# Altium PCB PCB2.PcbDoc (part 1 of 2) (continued)
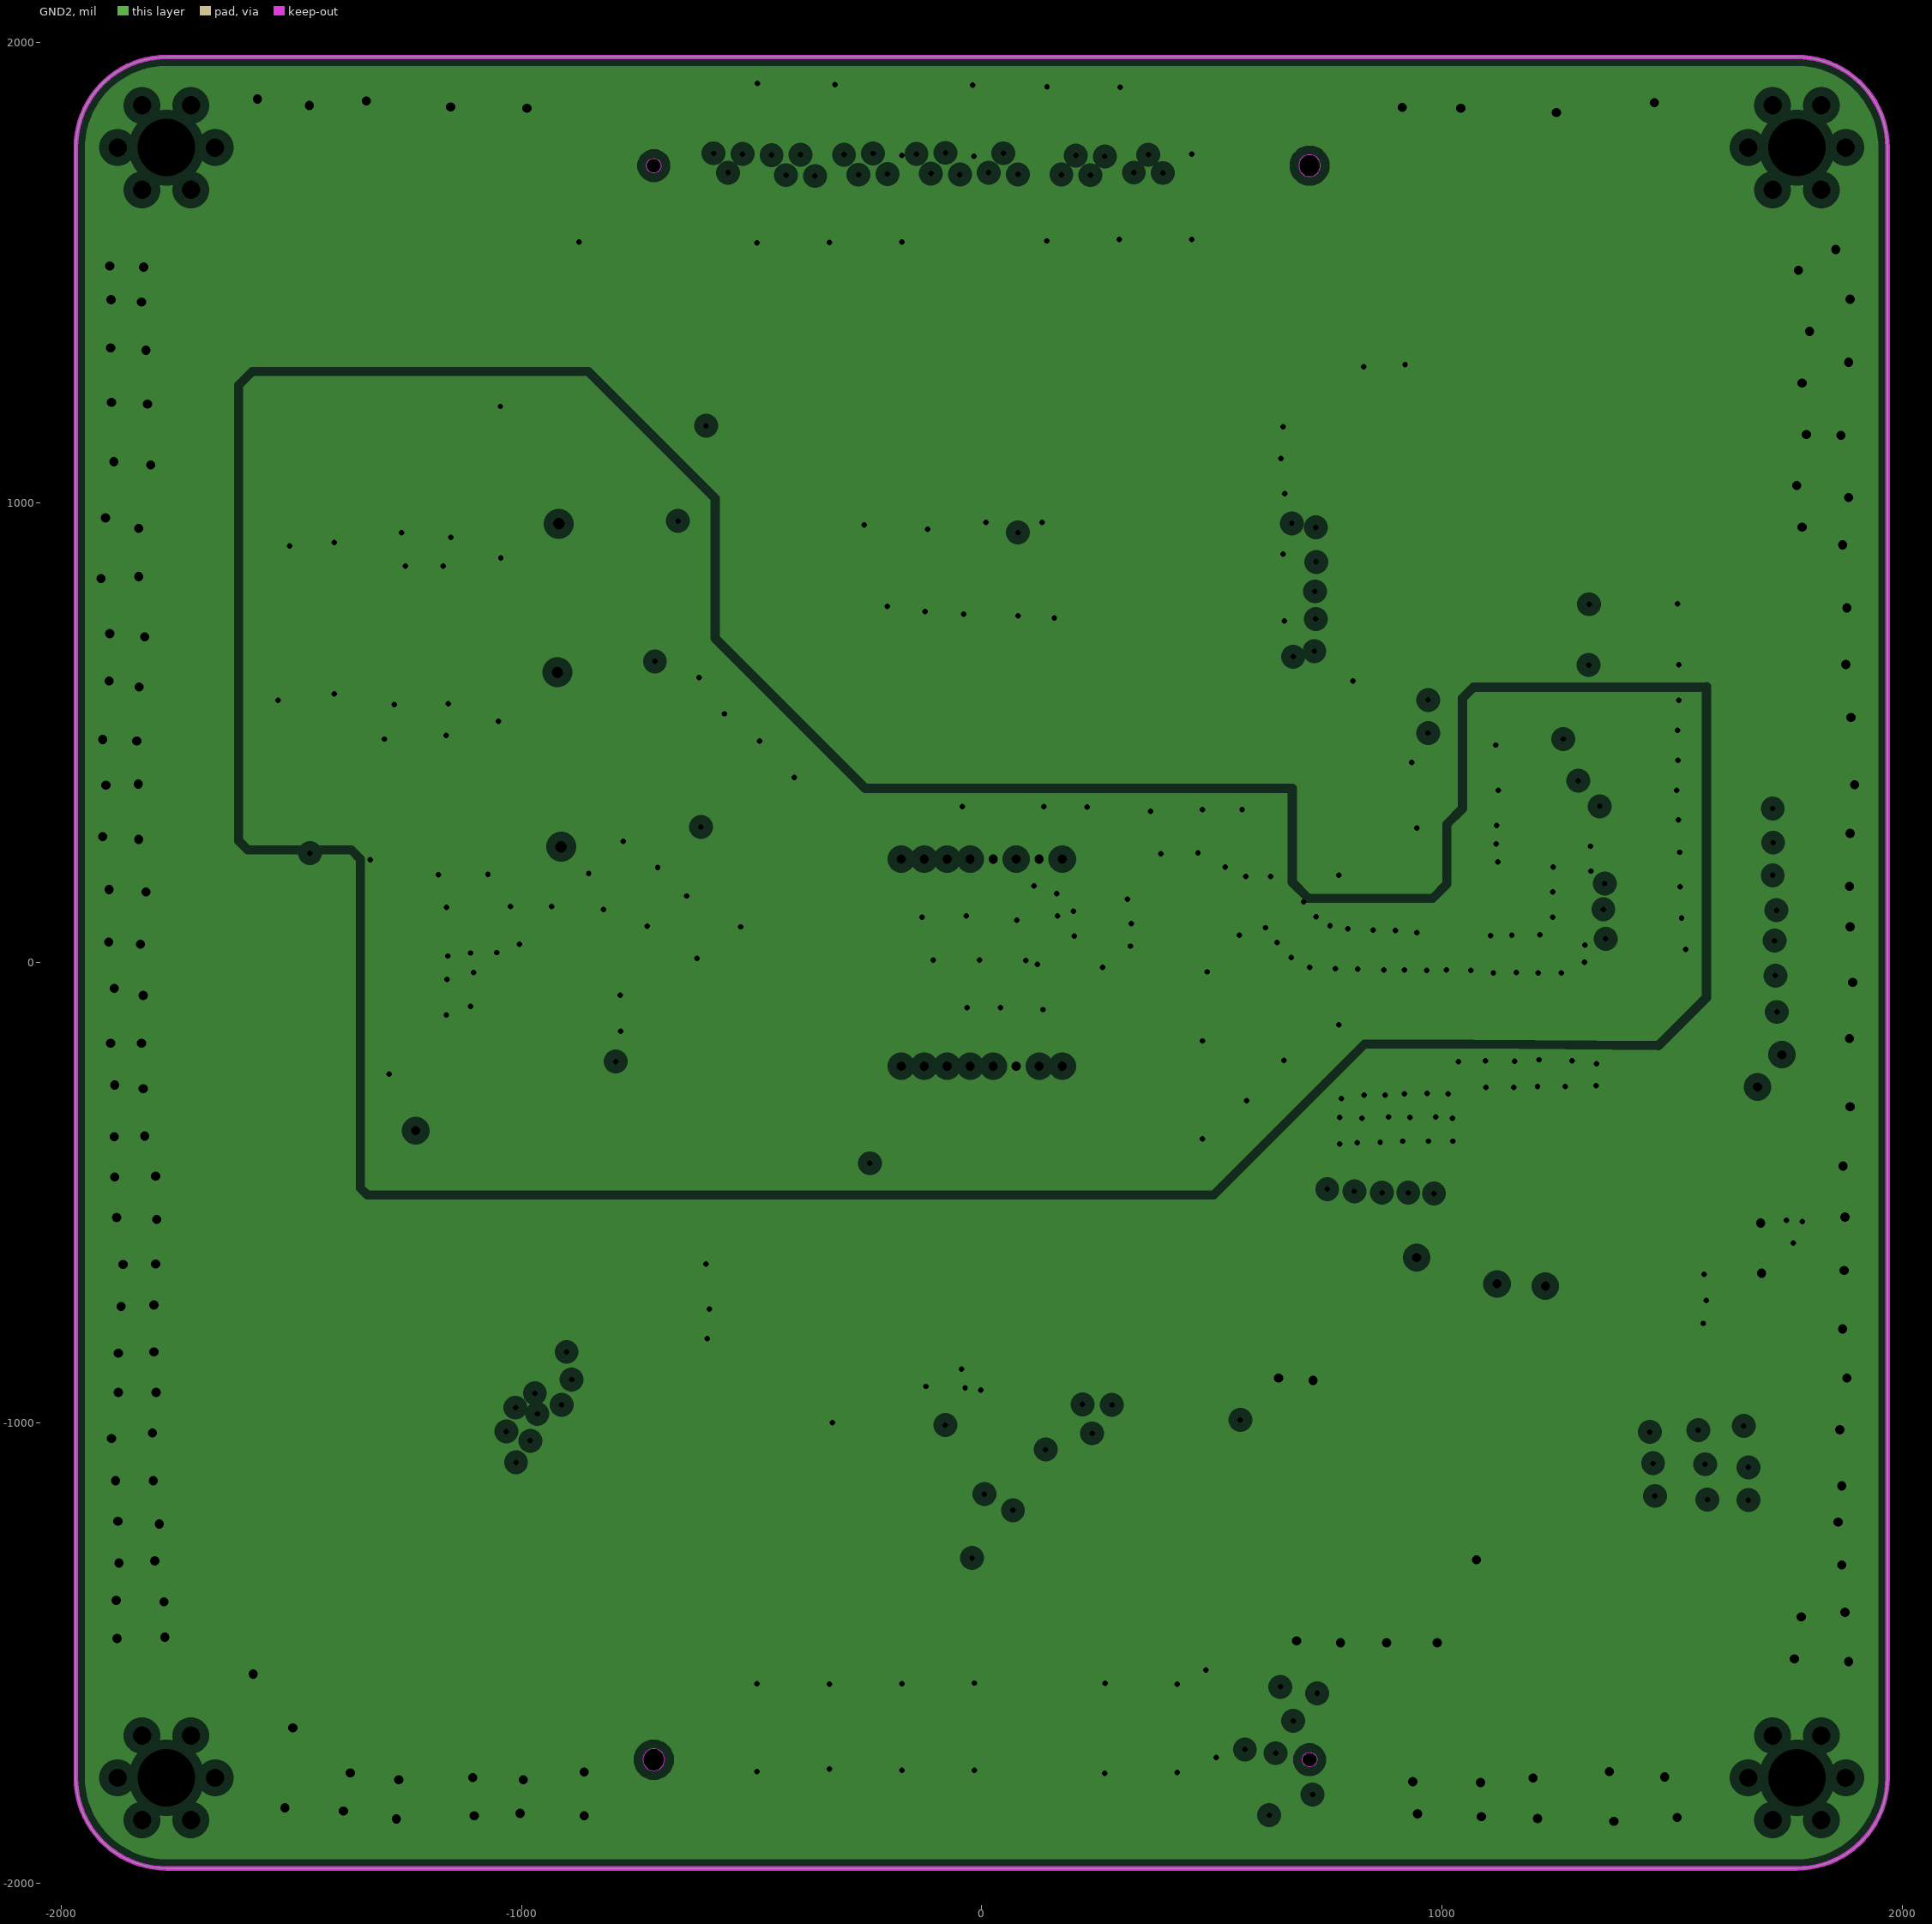
[diagram p3: GND2, clearances drawn from the general rule]
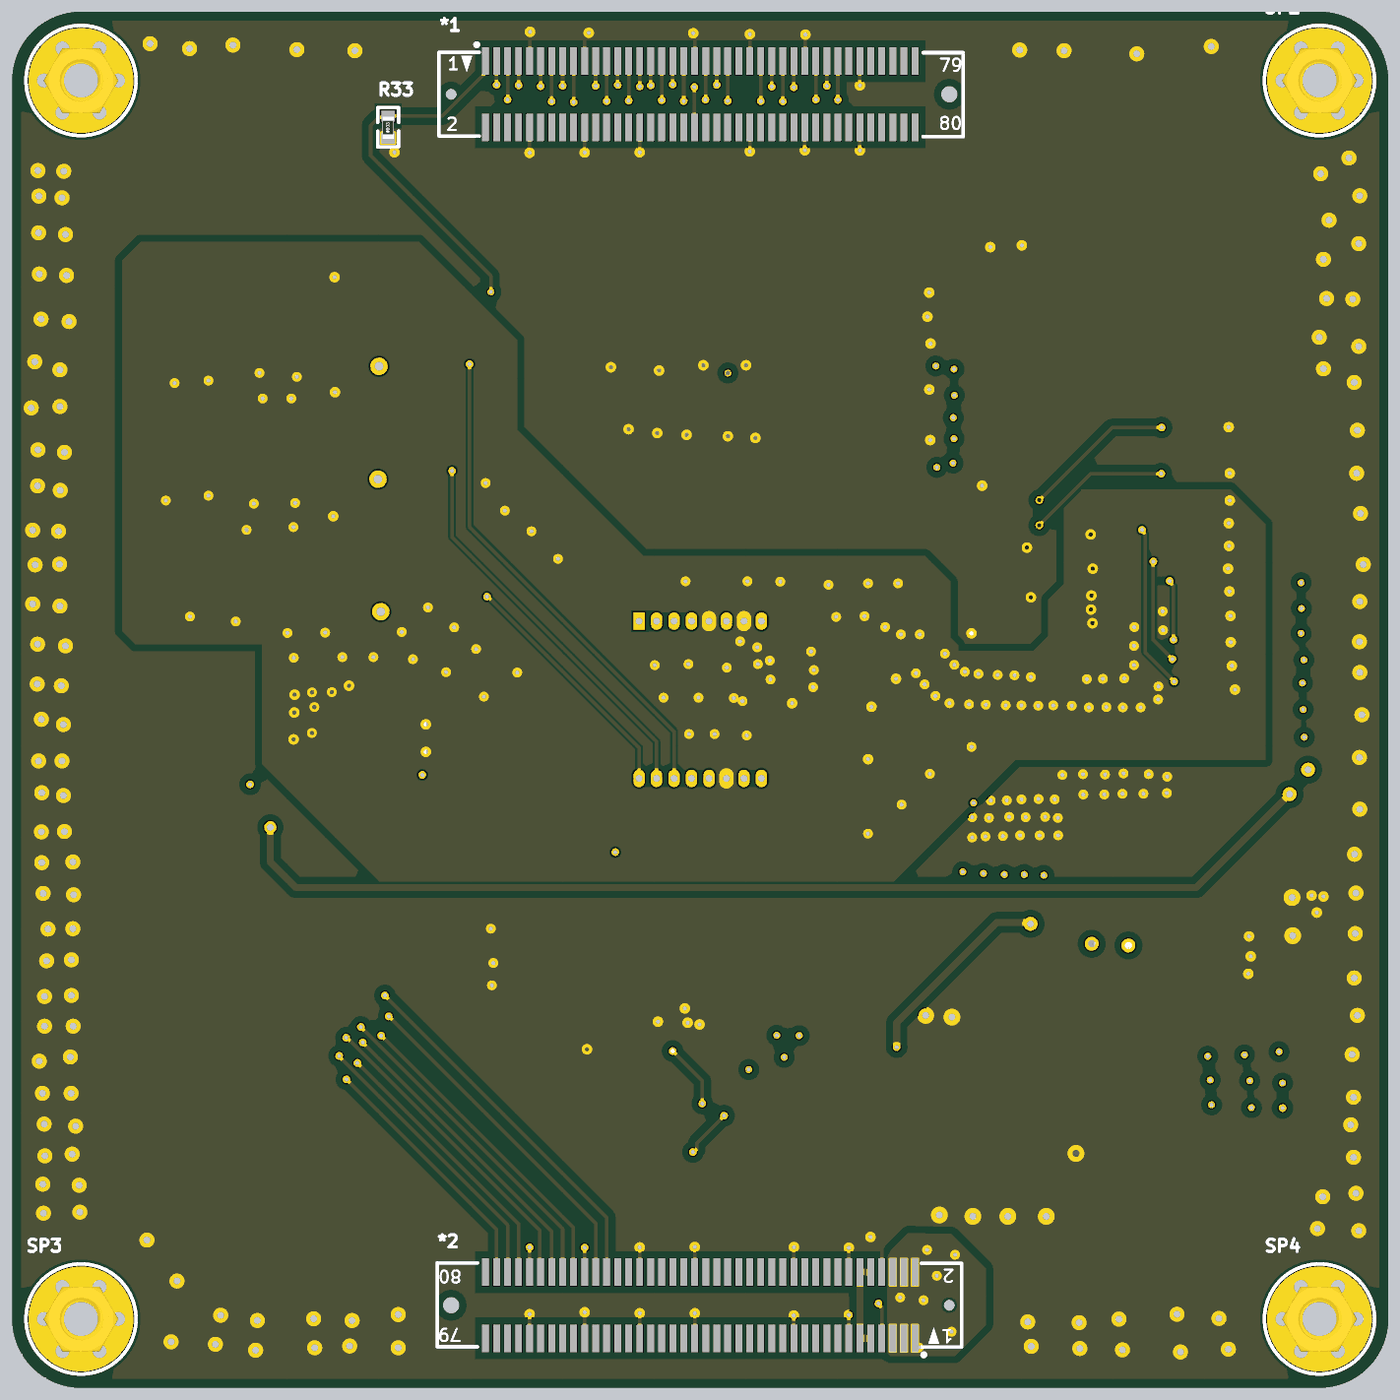
[diagram p5: 3D render of the assembled board from above, using the file's embedded part models]
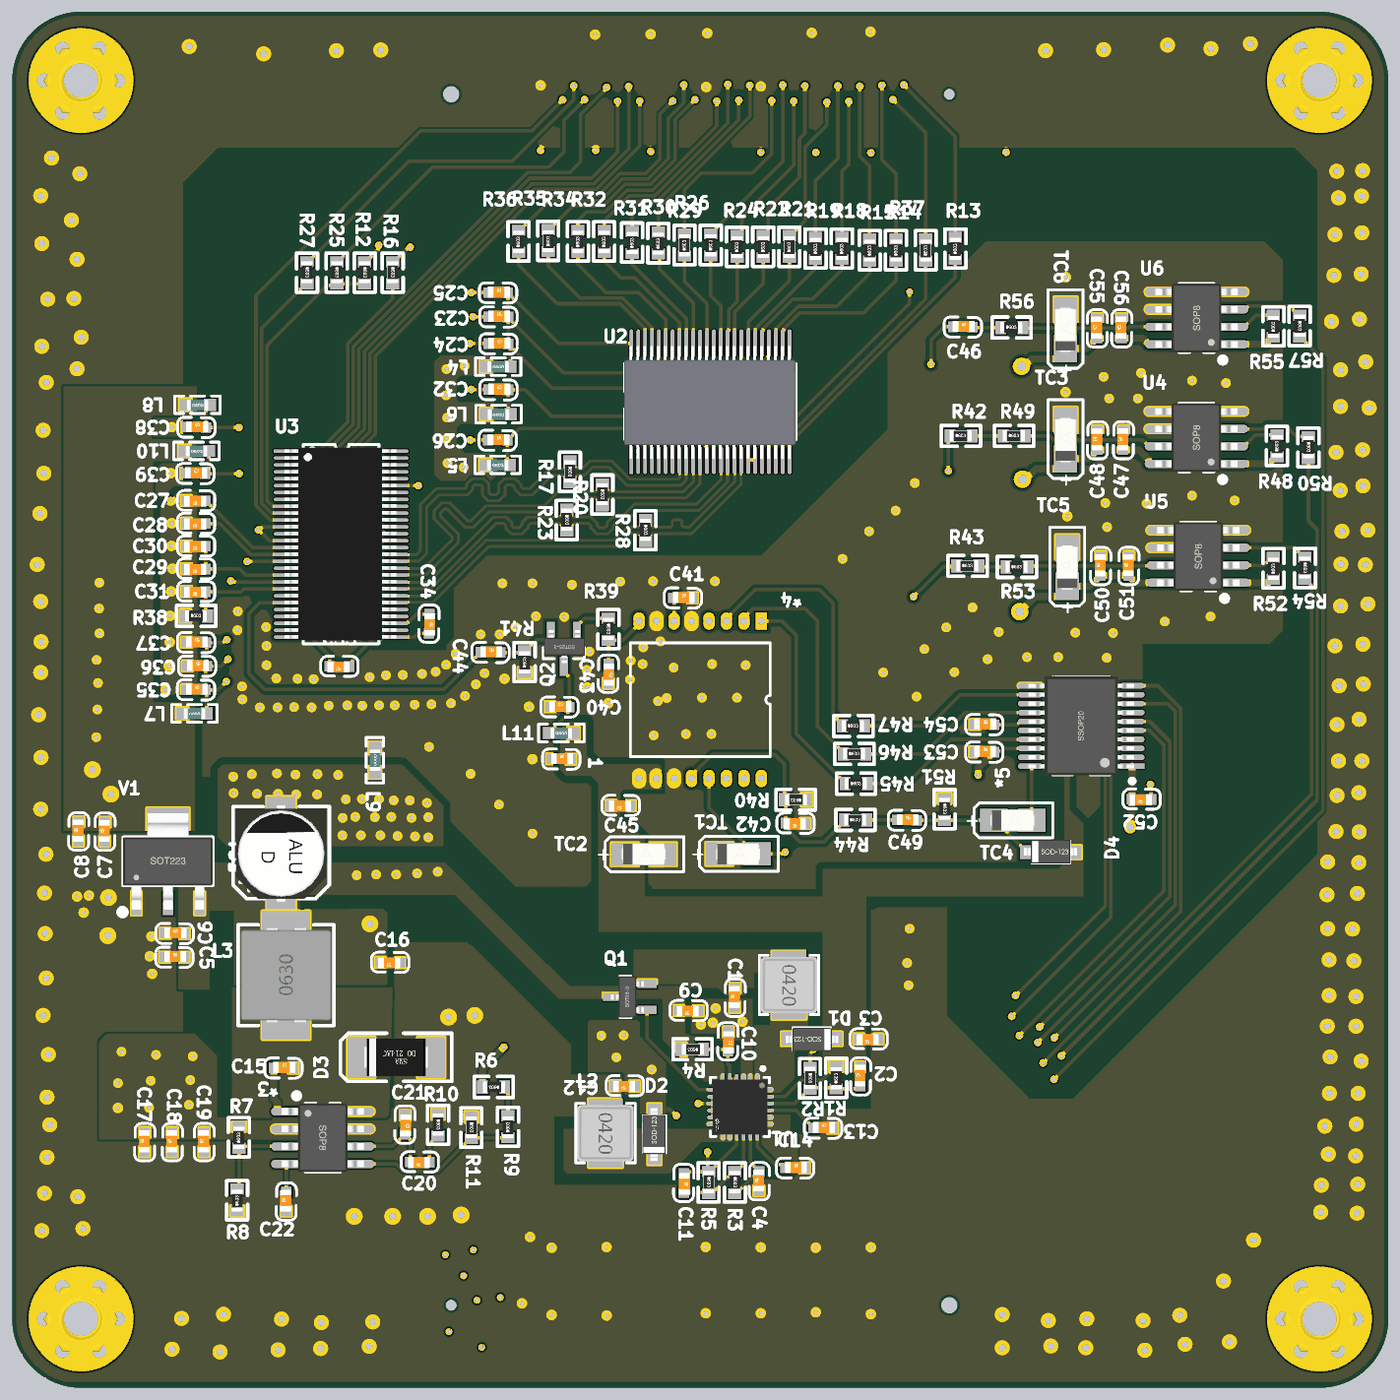
[diagram p6: 3D render of the assembled board from below, using the file's embedded part models]

## Layer stack, top to bottom
Top Solder: solder mask 0.4, Solder Resist, Dk 3.5
Top Layer: signal copper 1.4
Dielectric 2: prepreg 2.8, PP-006, Dk 4.1
PWR3: plane copper 1.378, net (Multiple Nets)
Dielectric 1: dielectric 61.811, FR-4, Dk 4.8
GND2: plane copper 1.378, net (Multiple Nets)
Dielectric 3: prepreg 2.8, PP-006, Dk 4.1
Bottom Layer: signal copper 1.4
Bottom Solder: solder mask 0.4, Solder Resist, Dk 3.5

## Board outline
-1968.5,-1771.65 -1968.5,1771.65 cw(c-1771.65,1771.65) -1771.65,1968.5 1771.65,1968.5 cw(c1771.65,1771.65) 1968.5,1771.65 1968.5,-1771.65 cw(c1771.65,-1771.65) 1771.65,-1968.5 -1771.65,-1968.5 cw(c-1771.65,-1771.65)

## Design rules (kind name [scope] priority, off if disabled: settings)
Clearance AGND_L04_P043 [InNamedPolygon('AGND_L04_P043')] p1: gap=10 ignorepadtopadclearanceinfootprint=FALSE except(0: Arc-Hole Track-Hole SMDPad-Hole THPad-Hole Via-Hole Fill-Hole Poly-Hole Region-Hole Text-Hole; 20: Fill-Fill Fill-Poly Fill-Region Poly-Poly Poly-Region Region-Region)
Clearance GND_L01_P057 [InNamedPolygon('GND_L01_P057')] p2: gap=10 ignorepadtopadclearanceinfootprint=FALSE except(0: Arc-Hole Track-Hole SMDPad-Hole THPad-Hole Via-Hole Fill-Hole Poly-Hole Region-Hole Text-Hole; 20: Arc-Fill Arc-Poly Arc-Region Track-Fill Track-Poly Track-Region SMDPad-Fill SMDPad-Poly SMDPad-Region THPad-Fill THPad-Poly THPad-Region Via-Fill Via-Poly Via-Region Fill-Fill Fill-Poly Fill-Region Poly-Poly Poly-Region Region-Region)
Clearance [All] p3: gap=6 ignorepadtopadclearanceinfootprint=FALSE
DiffPairsRouting [All] p1: maxlimit=10 minlimit=10 mostfreqgap=10 toplayer_minwidth=6 toplayer_maxwidth=15 toplayer_prefwidth=8 bottomlayer_minwidth=6 bottomlayer_maxwidth=15 bottomlayer_prefwidth=8 maxuncoupledlength=500
PlaneClearance [All] p1: clearance=20
PlaneConnect [All] p1: planeconnectstyle=Direct reliefexpansion=20 reliefentries=4 reliefconductorwidth=10 reliefairgap=10
PolygonConnect [All] p1: connectstyle=Direct reliefconductorwidth=10 reliefentries=4 polygonreliefangle="90 Angle" airgapwidth=10
RoutingVias [All] p1: holewidth=12 width=22 viastyle="Through Hole" minholewidth=12 minwidth=22 maxholewidth=12 maxwidth=22
SolderMaskExpansion [All] p1: expansion=4 istentingtop=FALSE
Width pwr [InNetClass('pwr')] p1: maxlimit=50 minlimit=6 preferedwidth=20
Width sign [All] p2: maxlimit=50 minlimit=6 preferedwidth=10
27 further rules are at their usual default settings.

## Classes and differential pairs
component class timing: *5 C47 C48 C49 C50 C51 C52 C53 C54 C55 C56 D4 R48 R49 R50 R51 R52 R53 R54 R55 R56 R57 TC3 TC4 TC5 TC6 U4 U5 U6
component class power: *3 C1 C2 C3 C4 C5 C6 C7 C8 C9 C10 C11 C12 C13 C14 C15 C16 C17 C18 C19 C20 C21 C22 D1 D2 D3 EC1 L1 L2 L3 Q1 R1 R2 R3 R4 R5 R6 R7 R8 R9 R10 R11 U1 V1
component class connect: *1 *2 SP1 SP2 SP3 SP4
component class CCD: 1 *4 C40 C41 C42 C43 C44 C45 C46 L11 Q2 R39 R40 R41 R42 R43 R44 R45 R46 R47 TC1 TC2
component class ADC: C23 C24 C25 C26 C27 C28 C29 C30 C31 C32 C33 C34 C35 C36 C37 C38 C39 L4 L5 L6 L7 L8 L9 L10 R12 R13 R14 R15 R16 R17 R18 R19 R20 R21 R22 R23 R24 R25 R26 R27 R28 R29 R30 R31 R32 R33 R34 R35 R36 R37 R38 U2 U3
differential pair D_TXCLK: +TXCLK+ -TXCLK-
differential pair D_TXOUT0: +TXOUT0+ -TXOUT0-
differential pair D_TXOUT1: +TXOUT1+ -TXOUT1-
differential pair D_TXOUT2: +TXOUT2+ -TXOUT2-

## Components (designator, comment, footprint, x,y, rotation, side; value= is the part's Value field where it differs from the comment)
1 "1u" 0603C 425.21,-168.65 r180 bottom
*1 "BTB-08-80-G" BTB-08-80-G 0,1732.28 r180 top locked
*2 "BTB-08-80-G" BTB-08-80-G 0,-1732.28 r0 top locked
*3 "TPS54331DR" SOIC-8 1080,-1253 r180 bottom
*4 "CCD424" CCD424 0,0 r270 bottom locked
*5 "CXD3400N" CXD3400N -1090,-75 r0 bottom locked
C1 "CAP" 0603C -98.65,-880.21 r90 bottom
C2 "CAP" 0603C -457.65,-1105.21 r90 bottom
C3 "22U" 0603C -509.21,-971.35 r0 bottom
C4 "220N" 0603C -167.65,-1405.21 r90 bottom
C5 "4.7u" 0603C 1532.21,-735.65 r180 bottom
C6 "0.1u" 0603C 1531.21,-667.65 r180 bottom
C7 "4.7u" 0603C 1704.35,-405.21 r90 bottom
C8 "0.1u" 0603C 1779.35,-404.21 r90 bottom
C9 "4.7U" 0603C 5.79,-890.35 r0 bottom
C10 "0.1U" 0603C -80.35,-949.79 r270 bottom
C11 "CAP" 0603C 46,-1355 r270 bottom
C12 "22U" 0603C 187.79,-1105.35 r0 bottom
C13 "10N" 0603C -323.79,-1224.65 r180 bottom
C14 "4.7N" 0603C -243.79,-1338.65 r180 bottom
C15 "0.1u" 0603C 1220.21,-1052.65 r180 bottom
C16 "47U" 0603C 859.79,-752.35 r0 bottom
C17 "4.7u" 0603C 1590.35,-1293.21 r90 bottom
C18 "4.7u" 0603C 1511.35,-1293.21 r90 bottom
C19 "0.01u" 0603C 1420.35,-1293.21 r90 bottom
C20 "1000p" 0603C 774.79,-1323.35 r0 bottom
C21 "47p" 0603C 843.65,-1187.79 r270 bottom
C22 "0.01u" 0603C 1185.35,-1463.21 r90 bottom
C23 "0.1u" 0603C 605.21,1096.35 r180 bottom
C24 "4.7u" 0603C 605,1019.46 r180 bottom
C25 "0.1u" 0603C 606.21,1165.35 r180 bottom
C26 "0.1u" 0603C 607,743.35 r180 bottom
C27 "0.1u" 0603C 1414.79,568.65 r0 bottom
C28 "0.1u" 0603C 1414.79,503.65 r0 bottom
C29 "0.1u" 0603C 1414.79,373.65 r0 bottom
C30 "4.7u" 0603C 1414.79,438.65 r0 bottom
C31 "0.1u" 0603C 1414.79,308.65 r0 bottom
C32 "0.1u" 0603C 605,888.02 r180 bottom
C33 "0.1u" 0603C 1004.79,94.65 r0 bottom
C34 "0.1u" 0603C 774.65,245.21 r270 bottom
C35 "0.1u" 0603C 1470.21,29.35 r180 bottom
C36 "0.1u" 0603C 1467.21,97.35 r180 bottom
C37 "0.1u" 0603C 1470,165 r180 bottom
C38 "0.1u" 0603C 1469.21,780.35 r180 bottom
C39 "0.1u" 0603C 1472.21,648.35 r180 bottom
C40 "1000p" 0603C 430.21,-19.65 r180 bottom
C41 "1000p" 0603C 77.21,292.35 r180 bottom
C42 "2200p" 0603C -300.21,-354.35 r0 bottom
C43 "1U" 0603C 261.65,102.21 r270 bottom
C44 "1U" 0603C 627.71,136.35 r180 bottom
C45 "0.01u" 0603C 199.79,-303.35 r0 bottom
C46 "0.1u" 0603C -723.79,1067.35 r180 bottom
C47 "0.1u" 0603C -1209.65,714.79 r90 bottom
C48 "0.1u" 0603C -1135.65,714.79 r90 bottom
C49 "0.1u" 0603C -563.79,-343.65 r180 bottom
C50 "0.1u" 0603C -1144.65,354.79 r90 bottom
C51 "0.1u" 0603C -1225,355 r90 bottom
C52 "0.1u" 0603C -1290.21,-285.35 r0 bottom
C53 "0.1u" 0603C -784.79,-148.65 r180 bottom
C54 "0.1u" 0603C -785,-70 r180 bottom
C55 "0.1u" 0603C -1134.65,1034.79 r90 bottom
C56 "0.1u" 0603C -1204.65,1034.79 r90 bottom
D1 "DIODE" SOD-123 -249,-970 r180 bottom
D2 "DIODE" SOD-123 131,-1173 r270 bottom
D3 "B340A" SMA/DO-214AC 775,-1023 r0 bottom
D4 "DIODE" SOD-123 -1073,-436 r0 bottom
EC1 "47u" SMD-EC6.3X6.3X10 1198.98,-534.82 r90 bottom
L1 "4.7UH" L-SMD-0420 -254,-816.1 r270 bottom
L2 "4.7UH" L-SMD-0420 271,-1240 r270 bottom
L3 "6.8uH" L-SMD-0630 1185,-788 r90 bottom
L4 "GZ1608D601TF" 0603L 613,953 r180 bottom
L5 "GZ1608D601TF" 0603L 614.32,672.34 r180 bottom
L6 "GZ1608D601TF" 0603L 612.32,817 r180 bottom
L7 "GZ1608D601TF" 0603L 1482,-39 r180 bottom
L8 "GZ1608D601TF" 0603L 1473,844 r180 bottom
L9 "GZ1608D601TF" 0603L 931,-208 r90 bottom
L10 "GZ1608D601TF" 0603L 1476,712 r180 bottom
L11 "GZ1608D601TF" 0603L 432.5,-95 r180 bottom
Q1 "P-MOS" SOT23 152.03,-887.41 r90 bottom
Q2 "NPN" SOT23-3 352.7,195 r0 bottom
R1 "975K" 0603R -389,-1112.99 r90 bottom
R2 "85.8K" 0603R -314,-1052.01 r270 bottom
R3 "RES" 0603R -99,-1350 r270 bottom
R4 "100R" 0603R -9,-1000 r0 bottom
R5 "RES" 0603R -24,-1350 r270 bottom
R6 "0R" 0603R 560,-1108 r0 bottom
R7 "332k" 0603R 1320,-1283 r90 bottom
R8 "68.1k" 0603R 1325,-1463 r90 bottom
R9 "24.9k" 0603R 550,-1253 r90 bottom
R10 "29.4k" 0603R 750,-1185.01 r270 bottom
R11 "4.7k" 0603R 655,-1193 r270 bottom
R12 "4.7K" 0603R 960,1252.99 r270 bottom
R13 "33R" 0603R -730,1260 r90 bottom
R14 "33R" 0603R -560,1255 r90 bottom
R15 "33R" 0603R -485,1255 r90 bottom
R16 "1K" 0603R 880,1252.99 r270 bottom
R17 "100R" 0603R 373,682.99 r270 bottom
R18 "33R" 0603R -405,1260 r90 bottom
R19 "33R" 0603R -330,1260 r90 bottom
R20 "100R" 0603R 280,617.99 r270 bottom
R21 "33R" 0603R -255,1265 r90 bottom
R22 "33R" 0603R -180,1265 r90 bottom
R23 "100R" 0603R 382,545 r270 bottom
R24 "33R" 0603R -105,1265 r90 bottom
R25 "33R" 0603R 1040,1252.99 r270 bottom
R26 "33R" 0603R -30,1270 r90 bottom
R27 "33R" 0603R 1125,1252.99 r270 bottom
R28 "100R" 0603R 157,516 r270 bottom
R29 "33R" 0603R 45,1270 r90 bottom
R30 "33R" 0603R 120,1275 r90 bottom
R31 "33R" 0603R 195,1277.01 r90 bottom
R32 "33R" 0603R 275,1280 r90 bottom
R33 "4.7k" 0603R -893,1607.01 r90 top
R34 "33R" 0603R 350,1280 r90 bottom
R35 "33R" 0603R 435,1282.01 r90 bottom
R36 "33R" 0603R 520,1280 r90 bottom
R37 "33R" 0603R -645,1255 r90 bottom
R38 "9.1k" 0603R 1472.99,240 r180 bottom
R39 "4.7k" 0603R 263,232.99 r270 bottom
R40 "1m" 0603R -304,-286 r0 bottom
R41 "4.7k" 0603R 502.5,77.01 r90 bottom
R42 "0R" 0603R -715,755 r180 bottom
R43 "0R" 0603R -734.01,383 r180 bottom
R44 "0R" 0603R -413.01,-343.87 r180 bottom
R45 "0R" 0603R -415,-240 r180 bottom
R46 "0R" 0603R -410,-155 r180 bottom
R47 "0R" 0603R -407.01,-75 r180 bottom
R48 "10K" 0603R -1650,695 r90 bottom
R49 "33R" 0603R -867.01,755 r180 bottom
R50 "51R" 0603R -1740,752.99 r270 bottom
R51 "100k" 0603R -699,-282.01 r270 bottom
R52 "10K" 0603R -1640,345 r90 bottom
R53 "33R" 0603R -875,380 r180 bottom
R54 "51R" 0603R -1730,407.99 r270 bottom
R55 "10K" 0603R -1640,1037.01 r90 bottom
R56 "33R" 0603R -860,1065 r180 bottom
R57 "51R" 0603R -1715,1100 r270 bottom
SP1 "M3铜柱" M3x5_N -1771.65,1771.65 r0 top locked
SP2 "M3铜柱" M3x5_N 1771.65,1771.65 r0 top locked
SP3 "M3铜柱" M3x5_N -1771.65,-1771.65 r0 top locked
SP4 "M3铜柱" M3x5_N 1771.65,-1771.65 r0 top locked
TC1 "3.3u" TAJ-A/3216 -53.15,-441 r180 bottom
TC2 "3.3u" TAJ-A/3216 217,-442 r180 bottom
TC3 "1u" TAJ-A/3216 -1045,688.15 r90 bottom
TC4 "1u" TAJ-A/3216 -838.15,-345 r180 bottom
TC5 "1u" TAJ-A/3216 -1050,323.15 r90 bottom
TC6 "1u" TAJ-A/3216 -1045,1003.15 r90 bottom
U1 "TPS65131RGER" QFN-24_L4.0-W4.0-P0.50-TL-EP2.6 -114,-1165 r270 bottom
U2 "DS90CR218AMTDX/NOPB" TSSOP-48 197.16,685.35 r90 bottom locked
U3 "LM98725CCMTX/NOPB" TSSOP-56 1184.96,710.9 r180 bottom locked
U4 "EL7156CSZ-T7_C382008" SOIC-8 -1419.49,750 r0 bottom
U5 "EL7156CSZ-T7_C382008" SOIC-8 -1425,410 r0 bottom
U6 "EL7156CSZ-T7_C382008" SOIC-8 -1420,1092.01 r0 bottom
V1 "AMS1117-3V3" SOT223_L 1522.8,-462.46 r180 bottom
